# Allegro board WARP7_CPU_REV10_20151109_1600.brd (continued)
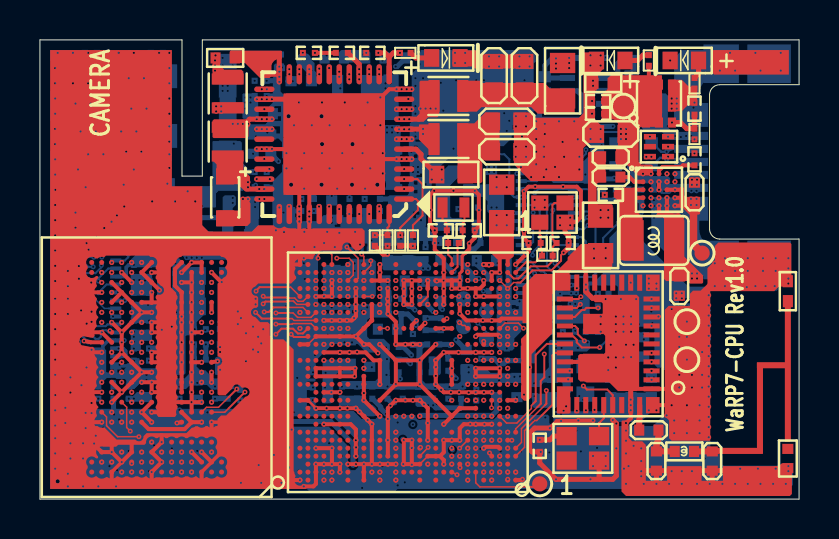
[diagram p0: board, top side]
## Routing (per net, layer and track width the routed paths; a pad name or vN(x,y) marks a point on that pad's centre or on a via; arc(x,y) is an arc through that point) (continued)
  POWER07 w0.508: v3(1.73,7.34) 1.73,6.96 2.08,6.6 2.51,6.6 3.25,7.34 3.68,7.34
  GND08 w0.254: v6(20.52,7.7) v3(20.83,7.49) ; v3(14.73,21.89) v4(14.99,21.64)
  ART09 w0.254: v1(5.61,17.27) 5.89,17.55 5.89,19.46 4.06,21.29 4.06,21.65 3.36,22.35 v1(2.84,22.35) ; v10(17.3,20.83) 16.71,21.41 15.21,21.41 v4(14.99,21.64)
  BOTTOM w0.178: D9.2 v1(2.84,22.35) ; J2.40 4.18,7.15 4.29,7.26 4.29,7.42 4.16,7.55 J2.38 ; v1(5.61,17.27) 5.61,17.28 J6.2
  BOTTOM w0.203: v1(5.61,17.27) 6.37,16.51 X2.4 6.62,15.49 C157.1 C156.1
  BOTTOM w0.254: 9.27,14.1 7.6,14.1 7.44,14.25 C156.1 ; C74.1 20.47,7.75 v6(20.52,7.7)
  vias: v3(10.06,15.37) v3(16.08,20.7) v3(16.51,20.7) v3(21.31,13.94) v3(21.31,13.54) v3(23.11,15.88) v3(23.11,15.37) v5(15.98,21.03) v5(22.86,16.13) v5(22.86,15.62) v5(23.37,16.13) v5(23.37,15.62) v6(1.45,7.54) v6(1.45,7.14) v6(9.65,15.09) v6(9.65,14.83) v6(20.7,13.92) v6(20.7,13.67) v6(20.95,13.92) v6(20.95,13.67) v10(3.94,7.54) v10(3.94,7.14) v10(17.3,20.57) v10(17.55,20.83) v10(17.55,20.57)
SW2LX: length 0.6
  GND03 w0.254: v3(15.37,20.7) v5(15.48,21.03) v5(15.48,21.28)
  vias: v6(15.04,20.83) v6(15.04,20.57)
SW3_1V2: length 2.4
  GND03 w0.254: v5(11.23,19.53) v3(10.87,19.53)
  GND08 w0.254: v3(10.87,19.53) v4(10.87,19.2)
  ART09 w0.254: v4(10.87,19.2) 10.44,18.77 v1(10.13,18.77)
  BOTTOM w0.254: v1(10.13,18.77) 9.63,18.77 C24.1
  vias: v3(8.89,21.08) v3(9.4,21.08) v5(8.79,22.23) v5(8.76,21.97) v5(8.76,21.72) v5(8.76,21.46) v6(9.14,20.7) v6(9.14,20.45) v6(9.4,20.7) v6(9.4,20.45)
SW3LX:
  vias: v7(8.82,19.67) v7(8.82,19.42) v7(9.07,19.67) v7(9.07,19.42) v7(10.85,18.53) v7(11.1,18.53) v7(11.36,18.53) v7(11.61,18.53)
SWBSTLX: length 0.9
  TOP w0.254: 10.34,15.53 v7(10.98,15.53) v7(11.23,15.53)
  vias: v7(10.41,15.88) v7(10.41,15.62)
TOUCH_INT_B: length 28.9
  TOP w0.076: U3.V5 v2(22.22,7.9)
  ART04 w0.102: v2(22.22,7.9) 22.43,8.11 22.43,9.65 21.79,10.29 21.79,14 21.18,14.61 17.09,14.61 16.36,15.34 13.69,15.34 12.88,16.15 12.32,16.15 11.13,14.96 3.15,14.96 2.92,14.73 v3(2.54,14.73)
  GND08 w0.102: v4(2.9,14.73) v3(2.54,14.73)
  ART09 w0.102: v4(2.9,14.73) 3.57,14.06 3.68,14.06 v1(3.79,13.95)
UART1_RXD: length 6.7
  ART02 w0.076: v7(23.82,6.95) 23.82,7.23 24.41,7.82
  ART02 w0.102: v9(25.2,10.08) 25.07,9.96 25.07,9.45 24.89,9.27 24.89,8.31 24.41,7.82
  GND03 w0.102: v9(25.2,10.08) v3(25.02,10.54)
  GND08 w0.102: v6(25.48,11.1) 25.35,10.87 v3(25.02,10.54)
  BOTTOM w0.102: J3.10 24.55,11.92 25.07,11.4 25.2,11.4 25.35,11.25 v6(25.48,11.1)
UART1_TXD: length 5.1
  ART02 w0.076: 24.41,8.15 24.01,7.75 v7(23.82,7.75)
  ART02 w0.102: v9(24.74,9.6) 24.69,9.55 24.69,8.43 24.41,8.15
  GND03 w0.102: v9(24.74,9.6) 24.74,10.16 24.66,10.24 24.66,10.72 v3(25.02,11.07)
  GND08 w0.102: v6(24.77,11.3) v3(25.02,11.07)
  BOTTOM w0.102: v6(24.77,11.3) 24.55,11.52 J3.8
UART2_RXD: length 40.2
  ART04 w0.076: v2(23.41,6.95) 23.66,6.71 24.41,6.71
  ART04 w0.102: v3(9.63,17.25) 9.88,17.25 10.49,17.86 13.03,17.86 13.59,18.41 17.78,18.41 18.4,17.8 24.18,17.8 24.43,17.55 24.43,16.69 26.9,14.22 26.9,12.39 28.09,11.19 28.09,8.97 26.82,7.7 26.06,7.7 25.53,7.16 25.15,7.16 24.69,6.71 24.41,6.71
  GND08 w0.102: v4(9.65,16.89) v3(9.63,17.25)
  ART09 w0.102: v4(9.65,16.89) 9.65,15.55 8.23,14.12 7.8,14.12 6.93,13.26 4.31,13.26 v1(3.79,12.75)
UART2_TXD: length 44
  ART04 w0.076: 24.41,6.91 23.8,6.91 23.52,7.19 23.26,7.19 v2(23.01,6.95)
  ART04 w0.102: v3(10.16,17.02) 10.33,17.26 10.7,17.63 13.34,17.63 13.89,18.19 16.1,18.19 16.76,17.53 23.29,17.53 26.7,14.12 26.7,12.27 27.89,11.07 27.89,9.07 27.27,8.46 26.52,8.46 25.43,7.37 25.04,7.37 24.59,6.91 24.41,6.91
  GND08 w0.102: v3(10.16,17.02) v4(10.46,16.84)
  ART09 w0.102: v4(10.46,16.84) 10.46,14.17 9.68,13.39 9.12,13.39 8.15,12.42 6.1,12.42 5.69,12.01 3.58,12.01 3.23,12.37 2.95,12.37 v1(2.69,12.12)
  BOTTOM w0.076: v1(2.69,12.12) 2.44,12.12
  BOTTOM w0.102: J2.11 1.81,12.75 2.44,12.12
UART3_CTS_B: length 10.3
  ART02 w0.102: v9(29.41,6.71) 30,6.71 v7(30.62,7.32)
  GND03 w0.076: v3(23.88,7.29) 23.7,7.47 23.3,7.47 v5(23.01,7.75)
  GND03 w0.102: v9(29.41,6.71) v3(29.06,6.76)
  GND08 w0.076: v3(23.88,7.29) v4(23.88,6.96)
  GND08 w0.102: v4(29.18,6.45) v3(29.06,6.76)
  ART09 w0.102: v4(23.88,6.96) 24.33,6.5 26.06,6.5 27.28,5.28 28.53,5.28 29.18,5.94 v4(29.18,6.45)
UART3_RTS_B: length 9.6
  ART02 w0.102: v9(29.08,6.2) 29.94,6.2 v7(30.62,6.87)
  GND03 w0.102: v9(29.08,6.2) v3(28.7,6.3)
  GND03 w0.254: v5(23.41,8.15) v3(23.75,8.1)
  GND08 w0.076: v3(23.75,8.1) v4(23.75,7.77)
  GND08 w0.102: v3(28.7,6.3) v4(28.7,5.94)
  ART09 w0.102: v4(28.7,5.94) 28.7,5.74 28.45,5.49 27.38,5.49 26.1,6.77 24.42,6.77 24.1,7.09 24.1,7.42 v4(23.75,7.77)
UART3_RXD: length 9.5
  ART02 w0.102: v7(30.62,6.42) 29.99,5.79 v9(28.6,5.79)
  GND03 w0.076: v3(24.26,8.1) 23.9,7.75 v5(23.41,7.75)
  GND03 w0.102: v9(28.6,5.79) v3(28.17,6.1)
  GND08 w0.076: v3(24.26,8.1) v4(24.26,7.77)
  GND08 w0.102: v3(28.17,6.1) v4(28.17,5.77)
  ART09 w0.102: v4(24.26,7.77) 24.38,7.65 24.38,7.14 24.54,6.99 26.19,6.99 27.41,5.77 v4(28.17,5.77)
UART3_TXD: length 9
  ART02 w0.102: v7(30.62,5.97) 30.11,5.46 v9(28.35,5.46)
  GND03 w0.076: v3(24.38,7.26) 24.05,6.93 23.77,6.93 23.5,7.21 23.15,7.21 v5(23.01,7.35)
  GND03 w0.102: v9(28.35,5.46) v3(27.58,6.1)
  GND08 w0.076: 24.41,7.26 v3(24.38,7.26)
  GND08 w0.102: v4(24.71,7.26) 24.41,7.26 ; v3(27.58,6.1) v4(27.58,6.43)
  ART09 w0.102: v4(27.58,6.43) 27.2,6.43 26.37,7.26 v4(24.71,7.26)
USB_OTG1_DN: length 31.4
  ART04 w0.114: v2(21.41,1.35) 21.5,1.27 21.82,1.27 21.92,1.16 24.28,1.16 24.43,1.32 29.56,1.32 32.31,4.06 32.31,8.71 31.94,9.08 31.94,14.01 31.56,14.39 31.56,15.66 31.42,15.8 31.42,16.13 31.56,16.27 31.56,16.45 31.13,16.88 31.13,17.74 30.48,18.39 30.33,18.39 30.23,18.29 30.23,18.03 30.13,17.93 29.99,17.93 29.9,18.03 29.9,18.34 29.81,18.43 29.6,18.43 29.43,18.25 29.43,17.84 29.74,17.53 v3(29.84,17.53)
  GND08 w0.114: v6(29.68,17.87) v3(29.84,17.53)
  BOTTOM w0.114: L1.4 v6(29.68,17.87)
USB_OTG1_DP: length 31.4
  ART04 w0.114: v2(21.41,0.95) 21.52,1.05 21.73,1.05 21.83,0.95 24.37,0.95 24.52,1.1 29.65,1.1 32.52,3.98 32.52,8.8 32.16,9.17 32.16,14.1 31.78,14.48 31.78,16.54 31.34,16.97 31.34,17.83 30.53,18.64 29.51,18.64 29.21,18.34 v3(29.21,17.53)
  GND08 w0.114: v6(29.46,17.27) v3(29.21,17.53)
  BOTTOM w0.114: L1.3 v6(29.46,17.27)
USB_OTG1_ID: length 33.8
  TOP w0.076: U3.B9 v2(20.88,1.22)
  GND03 w0.102: v5(31.44,18.15) v3(31.75,18.41)
  ART04 w0.076: 24.79,0.66 24.68,0.55 21.26,0.55 20.88,0.93 v2(20.88,1.22)
  ART04 w0.102: 24.79,0.66 30.35,0.66 33.2,3.51 33.2,11.2 33.35,11.35 33.35,12.34 32.74,12.95 32.74,17.14 32.32,17.57 32.32,17.85 v3(31.75,18.41)
  GND08 w0.102: v3(31.75,18.41) v4(32.08,18.52)
  ART09 w0.102: v4(32.08,18.52) 32.69,18.52 32.89,18.31 32.89,16.53 v1(32.6,16.24)
USB_OTG_N: length 3.1
  GND03 w0.114: v5(31.44,17.65) v3(31.78,17.73)
  GND08 w0.114: v3(31.78,17.73) v6(31.37,17.4)
  BOTTOM w0.114: L1.1 31.09,17.4 v6(31.37,17.4) 31.67,17.54 J1.2
USB_OTG_P: length 3.1
  GND03 w0.114: v5(31.44,17.15) v3(31.78,17.08)
  GND08 w0.114: v3(31.78,17.08) 31.74,17.12 31.47,17.12 v6(31.37,17.02)
  BOTTOM w0.114: L1.2 31.04,17.09 31.29,17.09 v6(31.37,17.02) 31.37,16.97 31.45,16.89 J1.3
USB_OTG_VBUS: length 11.9
  ART02 w0.254: v7(32.77,18.02) v7(32.77,19.86) ; v7(20.61,1.75) v9(20.5,1.5)
  GND03 w0.254: v9(20.5,1.5) v3(20.45,1.12) ; v3(30.76,17.5) 30.76,17.31 30.61,17.16 v5(30.61,17.14) v5(30.35,17.14)
  GND08 w0.254: v3(30.76,17.5) v4(30.89,17.81)
  GND08 w0.508: v4(21.06,1.12) v4(20.8,1.12) v3(20.45,1.12)
  ART09 w0.254: v1(28.68,18.67) 28.8,18.54 30.18,18.54
  BOTTOM w0.254: 30.35,19.65 R1.2 30.89,20.18 ; Q2.5 26.9,20.45 27.13,20.22 27.13,19.41 27.86,18.67 v1(28.68,18.67)
  BOTTOM w0.381: 31.11,18.67 31.59,18.19 v1(31.81,18.19) v1(32.35,18.19) v1(32.6,18.19)
  vias: v1(31.62,5.46) v1(31.62,4.95) v1(32.08,18.14) v1(32.13,5.46) v1(32.13,4.95) v3(30.23,19.81) v3(30.86,19.81) v3(30.86,19.38) v3(32.84,10.59) v3(32.84,10.19) v4(32.26,10.54) v4(32.26,10.16) v4(32.51,10.54) v4(32.51,10.16) v5(31.62,20.07) v5(31.62,19.81) v5(31.62,19.56) v5(31.88,20.07) v5(31.88,19.81) v5(31.88,19.56) v6(30.23,19.43) v6(30.23,19.18) v6(30.23,18.92) v6(30.48,19.43) v6(30.48,19.18) v6(30.48,18.92)
USER_PB1: length 64.4
  ART04 w0.076: v2(21.41,2.55) 21.16,2.29 21.16,2.03 21.44,1.75 21.89,1.75 22.12,1.52 23.77,1.52 23.99,1.74
  ART04 w0.102: v3(11.81,19.56) 11.81,20.35 12.78,21.31 14.38,21.31 14.61,21.08 16.64,21.08 17.04,20.68 18.39,20.68 19.15,19.91 27.14,19.91 28.52,18.52 28.52,17.42 29.08,16.87 29.45,16.87 30.61,15.71 30.61,14.35 31.09,13.87 31.09,12.78 31.24,12.62 31.24,8.64 31.67,8.2 31.67,4.61 28.89,1.83 24.08,1.83 23.99,1.74
  GND08 w0.102: v3(11.81,19.56) v4(11.81,19.2)
  ART09 w0.102: v4(11.81,19.2) 11.66,19.05 11.66,15.01 9.8,13.16 9.58,13.16 7.87,11.46 3.84,11.46 3.34,11.95 3.26,11.95 v1(3.1,12.12)
  BOTTOM w0.076: v1(3.1,12.12) 3.07,12.14
  BOTTOM w0.102: J2.9 1.89,13.15 2.62,12.42 2.79,12.42 3.07,12.14
VCOREDIG: length 0.8
  GND03 w0.254: v5(14.98,14.53) v3(15.16,14.83)
  GND08 w0.254: v6(15.49,15.11) 15.44,15.11 v3(15.16,14.83)
VHALF: length 1.9
  GND03 w0.254: v3(12.48,21.89) v5(12.48,21.53) v5(12.48,21.28)
  GND08 w0.254: v6(12.06,22.27) v3(12.48,21.89)
  BOTTOM w0.254: v6(12.06,22.27) C16.2
VLDO1_1V8: length 18.6
  POWER07 w0.254: v3(20.6,12.93) 23.77,12.93 24.59,13.74 24.59,15.37 23.19,16.76 23.19,18.92 20.7,21.41 v3(17.3,21.41)
  GND08 w0.254: v6(20.95,12.93) v3(20.6,12.93) ; v6(17.81,21.67) v3(17.3,21.41)
  BOTTOM w0.254: C14.1 17.88,21.67 v6(17.81,21.67)
  vias: v5(16.98,21.53) v5(16.98,21.28)
VLDO2_1V2: length 1.6
  GND03 w0.254: v3(16.48,21.88) v5(16.48,21.53) v5(16.48,21.28)
  GND08 w0.254: v6(17.14,22.23) v6(17.14,21.97) 17.06,21.88 v3(16.48,21.88)
VLDO3_1V8: length 23.4
  TOP w0.203: U3.Y11 v5(20.22,8.55) U3.Y9
  GND03 w0.203: v5(20.22,8.55) v3(20.57,8.64)
  GND03 w0.254: v3(14.12,21.89) v5(13.98,21.56) v5(13.98,21.28)
  POWER07 w0.254: v3(20.57,8.64) 20.57,8.47 21.02,8.03 21.35,8.03 21.82,8.5 21.82,9.17 21.46,9.53 21.46,11.57 21.25,11.79 21.23,11.79 20.81,12.1 20.14,12.77 20.14,13.67 20.88,14.4 20.88,16.71 19.05,18.54 16.84,18.54 14.12,21.27 v3(14.12,21.89)
  GND08 w0.254: v3(20.57,8.64) v6(20.07,8.46)
  BOTTOM w0.254: C80.1 v6(20.07,8.46)
  vias: v6(14.1,22.23) v6(14.35,22.23)
VLDO4_1V8: length 1.2
  GND03 w0.254: v5(12.98,21.53) v5(12.98,21.28) v3(12.98,20.93)
  GND08 w0.254: v3(12.98,20.93) v6(12.65,20.93) v6(12.4,20.93)
VSNVS: length 15
  TOP w0.254: v5(17.4,12.27) 17.18,12.27 R19.2
  GND03 w0.254: v3(17.55,12.83) 17.4,12.67 v5(17.4,12.27)
  POWER06 w0.254: v3(11.18,16.08) 11.46,15.8 11.46,14.66 12.67,13.44 14.76,13.44 15.44,12.75 17.48,12.75 v3(17.55,12.83)
  GND08 w0.254: v4(17.07,12.6) 17.32,12.6 v3(17.55,12.83) ; v6(11.35,16.38) v3(11.18,16.08)
  ART09 w0.254: v1(16.92,8.51) 16.92,12.45 v4(17.07,12.6)
  vias: v5(10.85,16.03) v5(11.51,16.03)
WL_HOST_WAKE: length 6.5
  TOP w0.076: 24.7,4.79 24.6,4.69 24.6,4.53 23.88,3.81 23.36,3.81 U3.J3
  TOP w0.102: U5.27 25.37,7.77 24.82,7.21 24.82,4.9 24.7,4.79
WL_REG_ON: length 6.5
  TOP w0.076: 25.12,4.19 24.87,3.94 24.77,3.94 24.26,3.43 24.26,2.59 U3.D1
  TOP w0.102: 25.12,4.19 25.65,4.72 25.65,7.2 25.78,7.32 U5.28
XTALI: length 6.4
  TOP w0.102: U3.AG2 23.72,11.05 23.95,11.05 24.56,11.66 25.4,11.66 25.67,11.93 R27.1 25.67,12.63 C88.1 25.65,13.03 25.65,14.73 25.75,14.83 Y2.3
XTALO: length 3.4
  TOP w0.102: Y2.1 25.02,13.23 25.07,13.18 C87.1 25.07,12.57 25.13,12.51 R27.2 24.8,11.86 24.33,11.86 U3.AG1
N16715546: length 3.3
  TOP w0.203: U3.Y13 v5(19.28,8.81)
  GND03 w0.254: v5(19.28,8.81) v3(19.56,8.64)
  GND08 w0.254: v3(19.56,8.64) v6(18.82,8.71)
  BOTTOM w0.254: v6(18.82,8.71) 18.82,8.86 18.41,9.27 C75.1 18.08,8.71 R23.2
N16717276: length 2.6
  GND03 w0.254: v5(22.22,11.35) v3(22.56,11.3)
  GND08 w0.254: v3(22.56,11.3) 22.23,11.3 v6(21.97,11.05)
  BOTTOM w0.254: v6(21.97,11.05) C77.1 21.64,11.28 R24.2
N16729332: length 8
  ART02 w0.254: v7(16.61,1.35) v9(16.08,1.35)
  GND03 w0.254: v9(16.08,1.35) v3(15.67,1.37)
  GND08 w0.254: v3(15.67,1.37) v6(15.67,1.7)
  BOTTOM w0.254: C73.1 11.3,4.39 11.81,3.89 14.55,3.89 15.67,2.77 v6(15.67,1.7)
N16730613: length 2.4
  GND03 w0.076: v3(23.24,11.81) 22.91,11.48 22.91,11.21 22.69,10.99 22.18,10.99 v5(21.82,11.35)
  GND08 w0.254: v6(22.91,11.81) v3(23.24,11.81)
N16732259: length 1.5
  GND03 w0.203: v5(19.82,9.35) v3(19.91,9.02)
  GND08 w0.254: v3(19.91,9.02) v6(19.68,9.4)
  BOTTOM w0.254: C81.1 v6(19.68,9.4)
N16799029: length 4.3
  ART02 w0.254: v9(18.03,6.27) 17.76,6.55 v7(16.22,6.55)
  GND03 w0.254: v9(18.03,6.27) v3(18.41,6.27)
  GND08 w0.254: v3(18.41,6.27) v4(18.21,6.53)
  ART09 w0.254: v1(16.61,6.6) 18.14,6.6 v4(18.21,6.53)
N16801468: length 5.4
  GND03 w0.254: v5(18.61,4.15) v3(18.72,4.5)
  GND08 w0.381: v3(18.72,4.5) v6(19.02,4.19)
  BOTTOM w0.254: C90.1 22.86,4.42 22.63,4.19 v6(19.02,4.19)
N16807462: length 3.9
  TOP w0.076: U3.B6 21.82,0.82 22.02,0.61 24.41,0.61
  TOP w0.102: 24.41,0.61 24.87,0.61 TP1.1
N16808190: length 20.6
  TOP w0.076: U3.C8 v2(21.03,1.57)
  ART04 w0.076: v2(21.03,1.57) 21.17,1.43 21.17,0.85 21.31,0.71 24.58,0.71 24.74,0.86
  ART04 w0.102: v3(32.82,9.65) 32.99,9.47 32.99,3.63 30.23,0.86 24.74,0.86
  GND08 w0.102: v6(32.4,9.65) v3(32.82,9.65)
N16808656: length 2
  GND03 w0.076: v3(22.56,10.49) 21.87,10.49 v5(21.41,10.95)
  GND08 w0.076: v6(22.2,10.41) v3(22.56,10.49)
  BOTTOM w0.076: R33.2 v6(22.2,10.41)
N16808674: length 2
  GND03 w0.076: v3(23.24,11.3) 22.77,10.83 21.93,10.83 v5(21.82,10.95)
  GND08 w0.254: v6(23,11.05) v3(23.24,11.3)
N16918268: length 2
  TOP w0.203: U1.A3 30.99,16.46 31.17,16.64 32.11,16.64 32.18,16.72 C9.1
N16918272: length 1.2
  TOP w0.203: U1.B1 29.75,15.89 29.51,16.13 C8.1
N16918287: length 2.6
  ART02 w0.203: v7(30.59,15.89) 30.33,15.72 29.84,15.24 v7(28.27,15.24)
N16918299: length 1
  TOP w0.203: 29.68,15.49 U1.C1 ; 29.68,15.09 U1.D1
N16978244: length 3
  TOP w0.076: U3.Y18 v7(17.4,8.55)
  ART02 w0.076: v9(18.92,8.53) 18.57,8.53 18.24,8.86 17.71,8.86 v7(17.4,8.55)
  GND03 w0.076: v9(18.92,8.53) v3(19.15,8.26)
  GND08 w0.254: v3(19.15,8.26) 19.14,8.27 v6(18.67,8.27)
N16981434: length 3.7
  TOP w0.076: 9.45,4.55 9.26,4.35 U4.G2
  TOP w0.102: v5(10.26,5.36) 9.45,4.55
  GND03 w0.102: v5(10.26,5.36) v3(10.59,5.92)
  GND08 w0.102: v6(10.67,4.94) 10.67,5.49 10.59,5.56 v3(10.59,5.92)
N16981445: length 3.4
  TOP w0.076: U4.G3 8.34,4.6 8.94,4.6 9.45,5.11
  TOP w0.102: 9.45,5.11 v5(9.86,5.51)
  GND03 w0.102: v5(9.86,5.51) v3(10.03,5.79)
  GND08 w0.102: v3(10.03,5.79) v6(10.03,4.94)
N17032843: length 3
  BOTTOM w0.254: R7.1 25.65,22.1 25.27,21.72 D2.2 25.33,21.1 Q2.6
N17048427: length 10.2
  TOP w0.254: v5(31.64,18.86) 32.06,18.86 32.37,18.55 R3.1 C1.2
  GND03 w0.254: v5(31.64,18.86) v3(31.95,18.97)
  POWER06 w0.254: v3(25.54,19.18) 28.55,19.18 28.78,18.95 30.94,18.95 31.04,18.97 v3(31.95,18.97)
  GND08 w0.254: v6(25.54,19.56) v3(25.54,19.18)
  BOTTOM w0.254: D2.1 25.54,20.16 v6(25.54,19.56)
N17049476:
  vias: v3(30.73,13.72) v3(30.73,13.31) v3(32.38,19.81) v3(32.38,19.3) v6(30.73,14.97) v6(30.73,14.68) v6(30.73,14.4) v6(30.73,14.1) v6(32.13,19.56) v6(32.72,19.61) v6(32.72,19.33) v6(32.72,19.05)
N17054578: length 1
  TOP w0.254: R6.2 32.97,21.3 D4.1
N17054581: length 4.5
  GND03 w0.102: v5(31.55,21.97) v3(31.55,21.62)
  ART04 w0.102: v3(31.55,21.62) 30.38,21.62 v3(28.56,19.8)
  GND08 w0.102: v6(28.2,19.8) v3(28.56,19.8)
N17197487: length 0.4
  GND03 w0.254: v5(26.87,4.42) v3(26.87,4.8)
  vias: v6(27,5.16) v6(27.2,4.98)
N17208031: length 2.5
  GND03 w0.254: v5(26.44,5.99) v3(27.05,6.12)
  GND08 w0.254: v3(27.05,6.12) 27.05,6.4 27.44,6.78 27.81,6.78 v6(28.19,6.6) v6(28.45,6.71)
N17502336: length 2
  TOP w0.307: C152.2 30.96,3.07 arc(30.95,2.97) 30.93,2.88 30.89,2.79 arc(30.87,2.73) 30.86,2.66 C154.1 L12.1
N17502347: length 0.9
  TOP w0.307: C155.1 L12.2
N17546897: length 5.8
  GND03 w0.254: v5(4.09,1.35) v3(4.19,1.02)
  POWER07 w0.381: v10(2.08,5.03) 2.36,4.75 2.36,1.96 2.82,1.5 3.71,1.5 v3(4.19,1.02)
N18265392: length 1.6
  TOP w0.102: U5.37 28.22,4.04 27.99,3.81 X1.3
N18359197: length 1.3
  TOP w0.254: 30.02,4.17 U5.41
  TOP w0.307: 30.02,4.17 30,3.91 C152.1
N18608177: length 1.1
  BOTTOM w0.127: D8.1 4.5,22.13
  BOTTOM w0.203: 4.5,22.13 4.5,22.12 4.5,22.02 4.41,21.94 J6.7
N18608195: length 1.1
  BOTTOM w0.127: 3.88,22.12 D9.1
  BOTTOM w0.203: 3.88,22.12 3.88,22.03 4.01,21.9 J6.9
N18703906: length 1.2
  TOP w0.254: D6.1 18.81,22.1 R10.1
N175447380: length 1.4
  GND03 w0.076: v5(21.41,9.75) v3(20.98,9.27)
  GND08 w0.076: v6(20.95,8.89) v3(20.98,9.27)
  BOTTOM w0.076: TP3.1 v6(20.95,8.89)
N175447470: length 1
  GND03 w0.076: v5(21.41,10.15) v3(21.87,9.7)
  GND08 w0.076: v3(21.87,9.7) 21.87,9.68 v6(22.17,9.5)
N175447560: length 1.1
  TOP w0.076: U3.AD9 v5(20.97,10.15)
  GND03 w0.076: v5(20.97,10.15) v3(20.98,9.78)
  GND08 w0.076: v6(21.21,10.03) v3(20.98,9.78)
N183832490: length 1.9
  GND03 w0.076: v5(21.41,9.35) v3(21.41,8.99)
  GND08 w0.076: v6(21.92,8.81) v3(21.41,8.99)
  BOTTOM w0.076: TP2.1 22.35,8.38 v6(21.92,8.81)

## Copper pours and planes (outline as drawn; the poured copper is in the pictures)
GND on TOP (solid shape): 37.49,21.26 33.75,21.26 33.66,21.36 33.66,22.49 37.49,22.49
GND on TOP (solid shape): 17.27,20.19 17.27,15.49 17.02,15.24 12.32,15.24 12.19,15.37 12.19,20.19 12.32,20.32 17.14,20.32
GND on TOP (solid shape): 22.05,22.28 24.61,22.28 24.69,22.2 24.69,21.62 24.64,21.56 21.74,21.56 21.64,21.67 20.7,21.67 20.65,21.72 20.65,22.43 20.7,22.48 21.84,22.48
GND on TOP (solid shape): 28.22,22.35 28.22,21.56 27.94,21.29 27.94,20.57 27.79,20.42 27.79,19.02 28.19,18.62 28.19,17.93 28.12,17.86 27.48,17.86 27.2,17.58 27.2,16 27.13,15.93 24.56,15.93 23.72,16.76 23.72,19.3 23.77,19.35 24.54,19.35 24.77,19.13 24.81,19.13 24.83,19.1 26.97,19.1 27.2,19.33 27.2,22.33 27.25,22.38 28.19,22.38
GND on TOP (solid shape): 37.62,12.78 37.62,10.74 37.52,10.64 36.98,10.64 36.75,10.41 33.63,10.41 33.55,10.41 33.55,2.92 31.62,2.92 31.5,3.05 31.5,3.94 31.28,4.16 31.28,9.48 31.47,9.68 32.54,9.68 32.54,10.29 32.69,10.44 33.07,10.44 33.22,10.59 33.23,10.59 33.4,10.76 33.4,10.77 33.41,10.78 33.41,11.57 33.78,11.94 33.78,12.67 33.96,12.85 37.54,12.85
GND on TOP (solid shape): 29.46,3.81 29.46,3.07 29.64,2.9 30.15,2.9 30.33,2.72 30.33,0.91 31.39,0.91 31.39,1.65 33.12,1.65 33.12,0.91 34.19,0.91 34.19,1.65 36.98,1.65 37.11,1.78 37.62,1.78 37.64,1.75 37.64,0.25 37.54,0.15 29.34,0.15 29.11,0.38 29.11,3.89 29.16,3.94 29.34,3.94
GND on TOP (solid shape): 30,10.11 30,5.54 29.87,5.41 28.93,5.41 28.5,5.84 27.35,5.84 27.26,5.89 27.06,5.89 26.94,6 26.94,7.18 27.03,7.26 28.22,7.26 28.3,7.34 28.3,8.18 28.17,8.31 27.33,8.31 27.23,8.41 27.23,9.14 27.33,9.25 28.14,9.25 28.17,9.27 28.17,9.8 28.12,9.86 27.79,9.86 27.74,9.91 27.74,10.21 27.76,10.23 29.88,10.23
GND on TOP (solid shape): 28.65,12.67 28.65,11.56 28.55,11.46 26.59,11.46 26.52,11.38 26.52,10.52 26.47,10.46 25.83,10.46 25.65,10.29 25.65,8.3 24.61,7.26 24.61,5.11 24.43,4.93 24.23,4.93 24.08,5.08 24.08,5.66 24.08,5.66 24.1,5.75 24.08,5.84 24.08,5.84 24.08,6.86 24.08,6.86 24.1,6.95 24.08,7.04 24.08,7.04 24.08,7.66 24.08,7.66 24.1,7.75 24.08,7.84 24.08,7.84 24.08,8.03 24.43,8.38 24.43,8.74 24.36,8.81 24.18,8.81 24.16,8.84 24.16,10.64 24.79,11.28 25.73,11.28 26.42,11.96 26.42,12.12 27.08,12.78 28.55,12.78
GND on TOP (solid shape): outline of 1240 points within 0.51,0.51 16.26,22.49
GND on BOTTOM (solid shape): 21.16,11.15 21.16,10.72 21.08,10.64 18.92,10.64 18.9,10.67 18.9,11.13 18.92,11.15 20.85,11.15 20.9,11.2 21.11,11.2
GND on BOTTOM (solid shape): 29.64,20.14 29.64,19.66 29.59,19.61 29.59,18.8 29.57,18.77 28.98,18.77 28.85,18.9 28.85,20.07 28.96,20.17 29.62,20.17
GND on BOTTOM (solid shape): 10.11,17.86 10.11,16.87 10.39,16.59 10.39,16.18 10.34,16.13 10.34,15.62 10.16,15.44 8.94,15.44 8.81,15.32 8.81,14.63 8.79,14.61 7.98,14.61 7.92,14.66 7.92,15.54 8.05,15.67 8.64,15.67 8.64,17.91 8.66,17.93 10.03,17.93
GND on BOTTOM (solid shape): 2.91,20.66 3.51,20.66 3.51,20.68 3.71,20.68 3.71,20.66 5.51,20.66 5.51,20.68 5.82,20.68 6,20.49 6,20.43 6.4,20.03 6.4,19.05 6.3,18.95 6.1,18.95 6.09,18.94 6,18.94 5.82,18.75 5.82,18.75 5.78,18.71 5.31,18.71 5.31,18.67 5.11,18.67 5.11,18.71 4.11,18.71 4.11,18.67 3.91,18.67 3.91,18.71 2.91,18.71 2.91,18.67 2.71,18.67 2.71,18.71 1.83,18.71 1.6,18.94 0.51,18.94 0.51,20.43 1.63,20.43 1.85,20.66 2.71,20.66 2.71,20.68 2.91,20.68
GND on BOTTOM (solid shape): outline of 907 points within 0.51,0.38 37.69,22.49
GND on ART02 (solid shape): 23.25,8.75 23.25,8.71 23.24,8.69 23.19,8.55 23.25,8.35 23.23,8.29 23.19,8.13 23.25,7.99 23.27,7.95 23.22,7.9 23.18,7.91 23.03,7.98 22.87,7.92 22.83,7.91 22.8,7.92 22.73,7.96 22.65,7.98 22.57,7.98 22.49,7.94 22.45,7.96 22.42,8 22,7.97 22.32,7.69 22.35,7.7 22.39,7.7 22.47,7.57 22.62,7.52 22.65,7.52 22.68,7.52 22.77,7.49 22.79,7.4 22.8,7.28 22.85,7.19 22.87,7.15 22.81,7.09 22.78,7.11 22.63,7.18 22.48,7.13 22.41,7.11 22.21,7.18 22.02,7.11 21.95,7.13 21.87,7.17 21.76,7.18 21.74,7.19 21.6,7.32 21.6,8.56 22.17,9.13 22.86,9.13
GND on ART02 (solid shape): 11.57,9.65 11.66,9.59 11.64,9.48 11.59,9.25 11.77,9.1 11.79,9.09 11.81,9.08 11.82,9.04 11.81,9 11.79,8.99 11.78,8.99 11.6,8.85 11.63,8.62 11.64,8.56 11.67,8.5 11.68,8.46 11.66,8.43 11.58,8.26 11.65,8.09 11.68,8.02 11.65,7.94 11.07,7.36 11.07,7.25 11.03,7.17 10.94,7.15 10.91,7.16 10.86,7.16 10.37,7.52 10.35,7.55 10.33,7.58 10.35,7.62 10.36,7.63 10.5,7.89 10.29,8.09 10.27,8.09 10.07,8.29 10.07,8.37 9.64,8.8 9.61,8.88 9.65,8.95 9.75,9.13 9.67,9.32 9.64,9.4 9.67,9.48 9.71,9.51 9.73,9.56 9.8,9.62 9.89,9.6 9.96,9.56 10.03,9.55 10.1,9.52 10.13,9.45 10.13,9.25 10.49,8.89 11,8.89 11.25,9.14 11.27,9.15 11.45,9.32 11.36,9.56 11.34,9.59 11.35,9.63 11.37,9.65 11.39,9.65
GND on ART02 (solid shape): 9.18,10.96 9.2,10.85 9.11,10.79 8.92,10.79 8.85,10.82 8.82,10.88 8.66,11.07 8.42,11 8.34,10.97 8.27,11 7.93,11.02 7.94,10.68 7.98,10.6 7.86,10.35 7.98,10.1 7.86,9.85 7.98,9.6 7.86,9.35 7.98,9.1 7.94,9.03 7.88,8.77 8.1,8.63 8.13,8.62 8.28,8.47 8.34,8.43 8.36,8.36 8.37,8.27 7.42,8.27 7.35,8.29 7.32,8.36 7.29,8.46 7.22,8.54 7.22,8.67 7.32,8.82 7.27,8.99 7.29,9.02 7.33,9.14 7.29,9.27 7.2,9.36 7.08,9.38 7.01,9.45 7.01,11.02 7.04,11.09 7.11,11.13 7.3,11.27 7.27,11.5 7.24,11.57 7.27,11.64 7.3,11.68 7.37,11.7 7.44,11.68 7.69,11.65 7.82,11.86 7.85,11.93 7.92,11.96 8.18,11.96
GND on ART02 (solid shape): outline of 93 points within 7.21,4.78 9.32,7.94
GND on ART02 (solid shape): outline of 193 points within 24.74,0.51 37.69,13.63
GND on ART02 (solid shape): outline of 5938 points within 0.51,0.51 37.49,22.49
GND on GND03 (solid shape): outline of 10554 points within 0.51,0.51 37.69,22.49
GND on ART04 (solid shape): 24.32,18.99 24.32,18.84 24.23,18.75 19.15,18.75 19.1,18.8 19.1,18.95 19.33,19.18 24.13,19.18
GND on ART04 (solid shape): 14.53,20.9 15,20.9 15.08,20.8 15.07,20.78 15.06,20.7 15.07,20.63 15.08,20.6 15,20.5 13.58,20.5 13.47,20.59 13.33,20.63 13.3,20.63 13.23,20.75 13.24,20.78 13.28,20.89 13.28,21.01 13.27,21.03 13.35,21.13 14.3,21.13
GND on ART04 (solid shape): 33.67,12.58 33.84,12.53 34.03,12.52 37.49,12.52 37.69,12.32 37.69,10.92 37.08,10.92 36.96,10.79 36.96,10.56 36.83,10.44 33.55,10.44 33.55,2.26 33.55,2.26 34.01,2.26 34.05,2.22 34.05,1.82 34.19,1.68 36.93,1.68 37.05,1.8 37.64,1.8 37.69,1.75 37.69,0.71 37.49,0.51 30.86,0.51 30.66,0.71 33.38,3.43 33.38,11.13 33.53,11.28 33.53,12.52 33.64,12.59
GND on ART04 (solid shape): 15.41,1.53 15.4,1.5 15.61,1.07 15.98,1.39 15.98,1.41 16.06,1.5 16.32,1.5 16.4,1.4 16.39,1.37 16.39,1.23 16.45,1.1 16.47,1.09 16.47,0.98 16.45,0.97 16.38,0.76 16.47,0.55 16.5,0.53 16.44,0.38 15.19,0.38 15.13,0.53 15.16,0.55 15.25,0.76 15.17,0.97 15.16,0.98 15.16,1.09 15.17,1.1 15.24,1.34 15.11,1.56 15.06,1.6 15.11,1.65 15.33,1.65
GND on ART04 (solid shape): 21.89,16.66 21.89,16.02 21.55,15.67 18.84,15.67 18.59,15.92 18.59,16.26 19.56,16.26 19.56,16.21 19.57,16.16 19.59,16.11 19.62,16.07 19.65,16.03 19.69,16 19.74,15.98 19.78,15.96 19.83,15.95 19.88,15.95 19.93,15.96 19.98,15.97 20.02,16 20.06,16.03 20.12,16.07 20.14,16.07 20.17,16.07 20.19,16.07 20.25,16.03 20.29,16 20.33,15.97 20.38,15.96 20.43,15.95 20.48,15.95 20.53,15.96 20.57,15.98 20.62,16 20.66,16.03 20.69,16.07 20.72,16.11 20.74,16.16 20.75,16.21 20.75,16.26 20.75,16.31 20.74,16.35 20.72,16.4 20.69,16.44 20.66,16.48 20.62,16.51 20.57,16.53 20.53,16.55 20.48,16.56 20.43,16.56 20.38,16.55 20.33,16.54 20.29,16.52 20.25,16.49 20.19,16.45 20.17,16.44 20.14,16.44 20.12,16.45 20.06,16.49 20.02,16.52 19.98,16.54 19.93,16.55 19.88,16.56 19.83,16.56 19.78,16.55 19.74,16.53 19.69,16.51 19.65,16.48 19.62,16.44 19.59,16.4 19.57,16.35 19.56,16.31 19.56,16.26 18.59,16.26 18.59,16.59 18.72,16.71 21.84,16.71
GND on ART04 (solid shape): 19.57,1.84 19.75,1.75 19.95,1.8 19.97,1.81 20.08,1.78 20.09,1.77 20.2,1.66 20.35,1.62 20.37,1.62 20.45,1.54 20.45,1.43 20.4,1.42 20.14,1.12 20.4,0.82 20.45,0.81 20.45,0.51 17.91,0.51 17.78,0.63 17.78,0.76 17.76,0.87 17.71,0.97 17.7,0.98 17.7,1.09 17.71,1.1 17.77,1.23 17.77,1.37 17.77,1.4 17.85,1.5 18.92,1.5 19,1.42 19,1.4 19.45,1.14 19.48,1.66 19.47,1.67 19.46,1.79 19.54,1.87
